# Altium PCB PCB1.PcbDoc (continued)
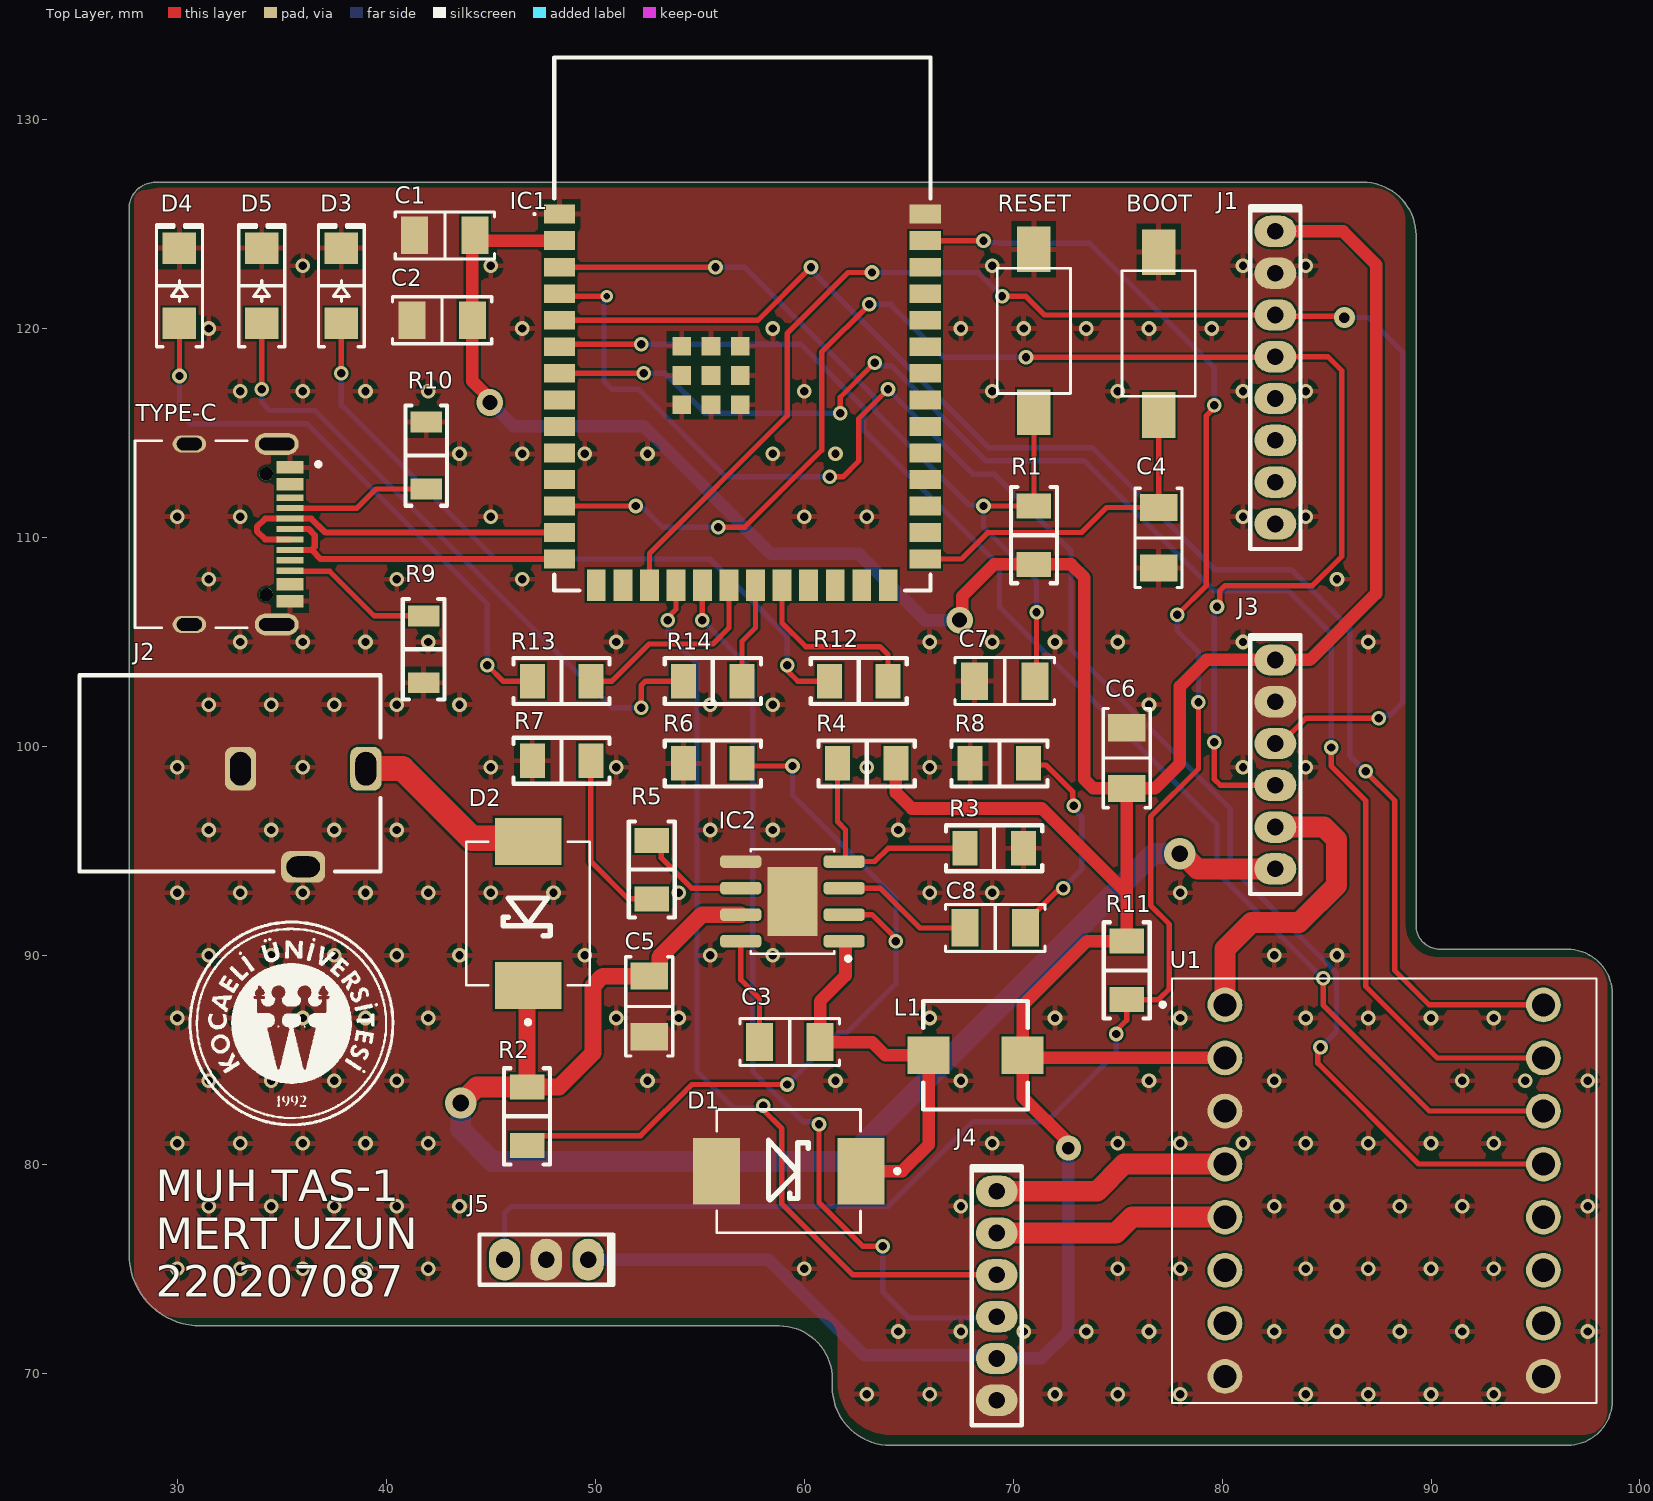
[diagram p0: Top Layer view]
## Part data (continued)
D5: library part 25-21UYC/S530-A2/TR8, "LED YELLOW CLEAR 2SMD", Current - Test=20mA, Device Package="1206 (3216 Metric)", Lens Color=Colorless, manufacturer="Everlight Electronics Co Ltd", Millicandela Rating=45mcd, Supplier Device Package=2-SMD, Supplier Part Number 1=1080-1595-1-ND, Voltage - Forward (Vf) (Typ)=2V, Color=Yellow, componentlink1description=Datasheet, componentlink1url=//media.digikey.com/pdf/Data%20Sheets/Everlight%20PDFs/25-21UYC-S530-A2-TR8_V6_11-12-18.pdf, componentlink2description="DigiKey Link", componentlink2url=https://www.digikey.com/en/products/detail/everlight-electronics-co-ltd/25-21UYC-S530-A2-TR8/8535289, Configuration=Standard, Height (Max)=1.20mm, lastupdated="3.06.2024 20:01:38", Lens Size="1.10mm Dia", Lens Style="Round with Domed Top", Lens Transparency=Clear, Lifecycle Status=Active, Minimum Order=1, Mounting Type="Surface Mount", Package / Case="1206 (3216 Metric)", packaging=TapeAndReel, Part Number=25-21UYC/S530-A2/TR8, Part Status=Active, partid=2, price=0.08, series=-, Size / Dimension="3.20mm L x 1.60mm W", Supplier 1=DigiKey, Viewing Angle=60°, Wavelength - Dominant=589nm, Wavelength - Peak=591nm
IC1: "Integrated Circuit", Manufacturer_Name="Espressif Systems", Mouser Part Number=356-ESP32S3WROOM1N16, Datasheet Link=https://www.espressif.com/sites/default/files/documentation/esp32-s3-wroom-1_wroom-1u_datasheet_en.pdf, Height=3.25mm, Manufacturer_Part_Number=ESP32-S3-WROOM-1-N16, Mouser Price/Stock=https://www.mouser.co.uk/ProductDetail/Espressif-Systems/ESP32-S3-WROOM-1-N16?qs=Li%252BoUPsLEntjPrtJwwS5Pw%3D%3D
J1: library part NPPN081BFCN-RC, "CONN HDR 8POS 0.079 GOLD PCB", Current Rating (Amps)=2A, manufacturer="Sullins Connector Solutions", Material Flammability Rating="UL94 V-0", Operating Temperature="-40°C ~ 105°C", Supplier Part Number 1=S5751-08-ND, Insulation Color=Black, componentlink1description=Datasheet, componentlink1url=https://drawings-pdf.s3.amazonaws.com/10483.pdf, componentlink2description="DigiKey Link", componentlink2url=https://www.digikey.com/en/products/detail/sullins-connector-solutions/NPPN081BFCN-RC/804810, Connector Type=Header, Contact Finish - Mating=Gold, Contact Finish - Post=Gold, Contact Finish Thickness - Mating=Flash, Contact Length - Post="0.094\" (2.40mm)", Contact Type="Female Socket", Fastening Type=Push-Pull, lastupdated="21.06.2022 14:43:53", Lifecycle Status=Active, Minimum Order=1, Mounting Type="Through Hole", Number of Positions=8, Number of Positions Loaded=All, Number of Rows=1, packaging=Tube, Part Number=NPPN081BFCN-RC, Part Status=Active, Pitch - Mating="0.079\" (2.00mm)", price=0.44, series=-, Style="Board to Board", Supplier 1=DigiKey, Termination=Solder, Insulation Height="0.173\" (4.40mm)"
J2: "CONN PWR JACK 2X5.5MM SOLDER", Current Rating (Amps)=5A, manufacturer="CUI Devices", Material Flammability Rating="UL94 V-0", Supplier Part Number 1=CP-102AH-ND, Voltage - Rated=24VDC, Actual Diameter="0.079\" (2.00mm ID), 0.256\" (6.50mm OD)", componentlink1description=Datasheet, componentlink1url=https://www.cuidevices.com/product/resource/digikeypdf/pj-102ah.pdf, componentlink2description="DigiKey Link", componentlink2url=//digikey.com/product-detail/en/cui-devices/PJ-102AH/CP-102AH-ND/408448, Connector Type=Jack, Gender=Male, lastupdated="16.12.2019 19:01:27", Lifecycle Status=0, Mating Length/Depth="0.354\" (9.00mm)", Minimum Order=1, Mounting Type="Through Hole, Right Angle", Number of Positions/Contacts="2 Conductors, 3 Contacts", packaging=Tray, Part Number=PJ-102AH, Part Status=Active, price=0.76, series=-, Shielding=Unshielded, Supplier 1=DigiKey, Termination=Solder, Industry Recognized Mating Diameter="2.00mm ID (0.079\"), 5.50mm OD (0.217\")", Internal Switch(s)="Single Switch, Normally Closed"
J3 J4: library part NPPN061BFCN-RC, "CONN HDR 6POS 0.079 GOLD PCB", Current Rating (Amps)=2A, manufacturer="Sullins Connector Solutions", Material Flammability Rating="UL94 V-0", Operating Temperature="-40°C ~ 105°C", Supplier Part Number 1=S5751-06-ND, Insulation Color=Black, componentlink1description=Datasheet, componentlink1url=https://drawings-pdf.s3.amazonaws.com/10483.pdf, componentlink2description="DigiKey Link", componentlink2url=https://www.digikey.com/en/products/detail/sullins-connector-solutions/NPPN061BFCN-RC/804808, Connector Type=Header, Contact Finish - Mating=Gold, Contact Finish - Post=Gold, Contact Finish Thickness - Mating=Flash, Contact Length - Post="0.094\" (2.40mm)", Contact Type="Female Socket", Fastening Type=Push-Pull, lastupdated="21.06.2022 14:43:22", Lifecycle Status=Active, Minimum Order=1, Mounting Type="Through Hole", Number of Positions=6, Number of Positions Loaded=All, Number of Rows=1, packaging=Tube, Part Number=NPPN061BFCN-RC, Part Status=Active, Pitch - Mating="0.079\" (2.00mm)", price=0.40, series=-, Style="Board to Board", Supplier 1=DigiKey, Termination=Solder, Insulation Height="0.173\" (4.40mm)"
J5: library part NPPN031BFCN-RC, "CONN HDR 3POS 0.079 GOLD PCB", Current Rating (Amps)=2A, manufacturer="Sullins Connector Solutions", Material Flammability Rating="UL94 V-0", Operating Temperature="-40°C ~ 105°C", Supplier Part Number 1=S5751-03-ND, Insulation Color=Black, componentlink1description=Datasheet, componentlink1url=https://drawings-pdf.s3.amazonaws.com/10483.pdf, componentlink2description="DigiKey Link", componentlink2url=https://www.digikey.com/en/products/detail/sullins-connector-solutions/NPPN031BFCN-RC/804805, Connector Type=Header, Contact Finish - Mating=Gold, Contact Finish - Post=Gold, Contact Finish Thickness - Mating=Flash, Contact Length - Post="0.094\" (2.40mm)", Contact Type="Female Socket", Fastening Type=Push-Pull, lastupdated="21.06.2022 14:42:20", Lifecycle Status=Active, Minimum Order=1, Mounting Type="Through Hole", Number of Positions=3, Number of Positions Loaded=All, Number of Rows=1, packaging=Tube, Part Number=NPPN031BFCN-RC, Part Status=Active, Pitch - Mating="0.079\" (2.00mm)", price=0.25, series=-, Style="Board to Board", Supplier 1=DigiKey, Termination=Solder, Insulation Height="0.173\" (4.40mm)"
L1: library part SRP5030T-100M, "FIXED IND 10UH 2.75A 128MOHM SMD", Current - Saturation=3.5A, Current Rating (Amps)="2.75 A", DC Resistance (DCR)="128mOhm Max", Device Package=Nonstandard, manufacturer="Bourns Inc.", Operating Temperature="-40°C ~ 125°C", Supplier Part Number 1=SRP5030T-100MCT-ND, Tolerance=±20%, Inductance Frequency - Test="100 kHz", componentlink1description=Datasheet, componentlink1url=https://www.bourns.com/docs/Product-Datasheets/SRP5030T.pdf, componentlink2description="DigiKey Link", componentlink2url=https://www.digikey.com/en/products/detail/bourns-inc/SRP5030T-100M/3986087, Height - Seated (Max)="0.118\" (3.00mm)", lastupdated="3.06.2024 20:02:35", Lifecycle Status=Active, Material - Core="Iron Powder", Minimum Order=1, Mounting Type="Surface Mount", Package / Case=Nonstandard, packaging=TapeAndReel, Part Number=SRP5030T-100M, Part Status=Active, partid=9, price=0.59, series=SRP5030T, Shielding=Shielded, Size / Dimension="0.224\" L x 0.205\" W (5.70mm x 5.20mm)", Supplier 1=DigiKey, Type="Drum Core, Wirewound", Inductance="10 µH"
R1: library part CRG1206F10K, "RES SMD 10K OHM 1% 1/4W 1206", Device Package="1206 (3216 Metric)", manufacturer="TE Connectivity Passive Product", Operating Temperature="-55°C ~ 155°C", Power (Watts)="0.25W, 1/4W", Supplier Device Package=1206, Supplier Part Number 1=A106069CT-ND, Temperature Coefficient=±100ppm/°C, Tolerance=±1%, componentlink1description=Datasheet, componentlink1url=https://www.te.com/commerce/DocumentDelivery/DDEController?Action=srchrtrv&DocNm=1773204&DocType=DS&DocLang=English, componentlink2description="DigiKey Link", componentlink2url=https://www.digikey.com/en/products/detail/te-connectivity-passive-product/CRG1206F10K/2389909, Composition="Thick Film", Height - Seated (Max)="0.026\" (0.65mm)", lastupdated="9.02.2024 20:54:44", Lifecycle Status=Active, Minimum Order=1, Number of Terminations=2, Package / Case="1206 (3216 Metric)", packaging=TapeAndReel, Part Number=CRG1206F10K, Part Status=Active, partid=26989, price=0.01, Resistance="10 kOhms", series="CRG, Neohm", Size / Dimension="0.122\" L x 0.061\" W (3.10mm x 1.55mm)", Supplier 1=DigiKey
R2 R5 R7: library part RNCS1206BKE100K, "RES 100K OHM 0.1% 1/8W 1206", Device Package="1206 (3216 Metric)", manufacturer="Stackpole Electronics Inc", Operating Temperature="-55°C ~ 155°C", Power (Watts)="0.125W, 1/8W", Ratings=AEC-Q200, Supplier Device Package=1206, Supplier Part Number 1=RNCS1206BKE100KCT-ND, Temperature Coefficient=±25ppm/°C, Tolerance=±0.1%, componentlink1description=Datasheet, componentlink1url=https://www.seielect.com/catalog/sei-rncs_rnch.pdf, componentlink2description="DigiKey Link", componentlink2url=https://www.digikey.com/en/products/detail/stackpole-electronics-inc/RNCS1206BKE100K/1800321, Composition="Thin Film", Features="Anti-Corrosive, Automotive AEC-Q200, Moisture Resistant", Height - Seated (Max)="0.026\" (0.65mm)", lastupdated="9.02.2024 20:54:46", Lifecycle Status=Active, Minimum Order=1, Number of Terminations=2, Package / Case="1206 (3216 Metric)", packaging=TapeAndReel, Part Number=RNCS1206BKE100K, Part Status=Active, partid=26854, price=0.08, Resistance="100 kOhms", series=RNCS, Size / Dimension="0.120\" L x 0.061\" W (3.05mm x 1.55mm)", Supplier 1=DigiKey
R3: library part RCS120640K2FKEA, "RCS1206 100 40K2 1% ET1 E3", Device Package="1206 (3216 Metric)", manufacturer="Vishay Dale", Operating Temperature="-55°C ~ 155°C", Power (Watts)="0.5W, 1/2W", Ratings=AEC-Q200, Supplier Device Package=1206, Supplier Part Number 1=541-RCS120640K2FKEACT-ND, Temperature Coefficient=±100ppm/°C, Tolerance=±1%, componentlink1description=Datasheet, componentlink1url=https://www.vishay.com/docs/20065/rcse3.pdf, componentlink2description="DigiKey Link", componentlink2url=https://www.digikey.com/en/products/detail/vishay-dale/RCS120640K2FKEA/12446290, Composition="Thick Film", Features="Automotive AEC-Q200, Pulse Withstanding", Height - Seated (Max)="0.026\" (0.65mm)", lastupdated="9.02.2024 20:53:22", Lifecycle Status=Active, Minimum Order=1, Number of Terminations=2, Package / Case="1206 (3216 Metric)", packaging=TapeAndReel, Part Number=RCS120640K2FKEA, Part Status=Active, partid=58515, price=0.03, Resistance="40.2 kOhms", series="RCS e3", Size / Dimension="0.126\" L x 0.063\" W (3.20mm x 1.60mm)", Supplier 1=DigiKey
R4: library part CRCW1206124KFKEA, "RES SMD 124K OHM 1% 1/4W 1206", Device Package="1206 (3216 Metric)", manufacturer="Vishay Dale", Operating Temperature="-55°C ~ 155°C", Power (Watts)="0.25W, 1/4W", Ratings=AEC-Q200, Supplier Device Package=1206, Supplier Part Number 1=541-124KFCT-ND, Temperature Coefficient=±100ppm/°C, Tolerance=±1%, componentlink1description=Datasheet, componentlink1url=http://www.vishay.com/docs/20035/dcrcwe3.pdf, componentlink2description="DigiKey Link", componentlink2url=https://www.digikey.com/en/products/detail/vishay-dale/CRCW1206124KFKEA/1176882, Composition="Thick Film", Features="Automotive AEC-Q200", Height - Seated (Max)="0.024\" (0.60mm)", lastupdated="9.02.2024 20:54:38", Lifecycle Status=Active, Minimum Order=1, Number of Terminations=2, Package / Case="1206 (3216 Metric)", packaging=TapeAndReel, Part Number=CRCW1206124KFKEA, Part Status=Active, partid=28030, price=0.01, Resistance="124 kOhms", series=CRCW, Size / Dimension="0.126\" L x 0.063\" W (3.20mm x 1.60mm)", Supplier 1=DigiKey
R6: library part RCS120624K9FKEA, "RCS1206 100 24K9 1% ET1 E3", Device Package="1206 (3216 Metric)", manufacturer="Vishay Dale", Operating Temperature="-55°C ~ 155°C", Power (Watts)="0.5W, 1/2W", Ratings=AEC-Q200, Supplier Device Package=1206, Supplier Part Number 1=541-RCS120624K9FKEACT-ND, Temperature Coefficient=±100ppm/°C, Tolerance=±1%, componentlink1description=Datasheet, componentlink1url=https://www.vishay.com/docs/20065/rcse3.pdf, componentlink2description="DigiKey Link", componentlink2url=https://www.digikey.com/en/products/detail/vishay-dale/RCS120624K9FKEA/12446268, Composition="Thick Film", Features="Automotive AEC-Q200, Pulse Withstanding", Height - Seated (Max)="0.026\" (0.65mm)", lastupdated="9.02.2024 20:53:22", Lifecycle Status=Active, Minimum Order=1, Number of Terminations=2, Package / Case="1206 (3216 Metric)", packaging=TapeAndReel, Part Number=RCS120624K9FKEA, Part Status=Active, partid=58450, price=0.03, Resistance="24.9 kOhms", series="RCS e3", Size / Dimension="0.126\" L x 0.063\" W (3.20mm x 1.60mm)", Supplier 1=DigiKey
R8: library part RN73H2BTTD6812B25, "RES 68.1K OHM 0.1% 1/4W 1206", Device Package="1206 (3216 Metric)", manufacturer="KOA Speer Electronics, Inc.", Operating Temperature="-55°C ~ 155°C", Power (Watts)="0.25W, 1/4W", Ratings=AEC-Q200, Supplier Device Package=1206, Supplier Part Number 1=2019-RN73H2BTTD6812B25CT-ND, Temperature Coefficient=±25ppm/°C, Tolerance=±0.1%, componentlink1description=Datasheet, componentlink1url=http://www.koaspeer.com/catimages/Products/RN73H/RN73H.pdf, componentlink2description="DigiKey Link", componentlink2url=https://www.digikey.com/en/products/detail/koa-speer-electronics-inc/RN73H2BTTD6812B25/10064241, Composition="Metal Film", Features="Automotive AEC-Q200, Moisture Resistant", Height - Seated (Max)="0.028\" (0.70mm)", lastupdated="9.02.2024 20:54:41", Lifecycle Status=Active, Minimum Order=1, Number of Terminations=2, Package / Case="1206 (3216 Metric)", packaging=TapeAndReel, Part Number=RN73H2BTTD6812B25, Part Status=Active, partid=27435, price=0.15, Resistance="68.1 kOhms", series=RN73H, Size / Dimension="0.126\" L x 0.063\" W (3.20mm x 1.60mm)", Supplier 1=DigiKey
R9 R10: library part SR1206JR-7W5K1L, "RES 5.1K OHM 5% 1/2W 1206", Device Package="1206 (3216 Metric)", manufacturer=Yageo, Operating Temperature="-55°C ~ 155°C", Power (Watts)="0.5W, 1/2W", Ratings=AEC-Q200, Supplier Device Package=1206, Supplier Part Number 1=YAG6077CT-ND, Temperature Coefficient=±100ppm/°C, Tolerance=±5%, componentlink1description=Datasheet, componentlink1url=http://www.yageo.com/documents/recent/PYu-SR_20105_RoHS_L_8.pdf, componentlink2description="DigiKey Link", componentlink2url=https://www.digikey.com/en/products/detail/yageo/SR1206JR-7W5K1L/5949366, Composition="Thick Film", Features="Automotive AEC-Q200, Pulse Withstanding", Height - Seated (Max)="0.026\" (0.65mm)", lastupdated="25.07.2024 09:21:37", Lifecycle Status=Active, Minimum Order=1, Number of Terminations=2, Package / Case="1206 (3216 Metric)", packaging=TapeAndReel, Part Number=SR1206JR-7W5K1L, Part Status=Active, partid=27299, price=0.07, Resistance="5.1 kOhms", series=SR, Size / Dimension="0.122\" L x 0.063\" W (3.10mm x 1.60mm)", Supplier 1=DigiKey
R11: library part CRG1206F4K7, "RES SMD 4.7K OHM 1% 1/4W 1206", Device Package="1206 (3216 Metric)", manufacturer="TE Connectivity Passive Product", Operating Temperature="-55°C ~ 155°C", Power (Watts)="0.25W, 1/4W", Supplier Device Package=1206, Supplier Part Number 1=A106078CT-ND, Temperature Coefficient=±100ppm/°C, Tolerance=±1%, componentlink1description=Datasheet, componentlink1url=https://www.te.com/commerce/DocumentDelivery/DDEController?Action=srchrtrv&DocNm=1773204&DocType=DS&DocLang=English, componentlink2description="DigiKey Link", componentlink2url=https://www.digikey.com/en/products/detail/te-connectivity-passive-product/CRG1206F4K7/2381014, Composition="Thick Film", Height - Seated (Max)="0.026\" (0.65mm)", lastupdated="9.02.2024 20:54:45", Lifecycle Status=Active, Minimum Order=1, Number of Terminations=2, Package / Case="1206 (3216 Metric)", packaging=TapeAndReel, Part Number=CRG1206F4K7, Part Status=Active, partid=26987, price=0.01, Resistance="4.7 kOhms", series="CRG, Neohm", Size / Dimension="0.122\" L x 0.061\" W (3.10mm x 1.55mm)", Supplier 1=DigiKey
R12 R13 R14: library part RNCS1206BKE1K00, "RES 1K OHM 0.1% 1/8W 1206", Device Package="1206 (3216 Metric)", manufacturer="Stackpole Electronics Inc", Operating Temperature="-55°C ~ 155°C", Power (Watts)="0.125W, 1/8W", Ratings=AEC-Q200, Supplier Device Package=1206, Supplier Part Number 1=RNCS1206BKE1K00CT-ND, Temperature Coefficient=±25ppm/°C, Tolerance=±0.1%, componentlink1description=Datasheet, componentlink1url=https://www.seielect.com/catalog/sei-rncs_rnch.pdf, componentlink2description="DigiKey Link", componentlink2url=https://www.digikey.com/en/products/detail/stackpole-electronics-inc/RNCS1206BKE1K00/1800333, Composition="Thin Film", Features="Anti-Corrosive, Automotive AEC-Q200, Moisture Resistant", Height - Seated (Max)="0.026\" (0.65mm)", lastupdated="9.02.2024 20:54:46", Lifecycle Status=Active, Minimum Order=1, Number of Terminations=2, Package / Case="1206 (3216 Metric)", packaging=TapeAndReel, Part Number=RNCS1206BKE1K00, Part Status=Active, partid=26856, price=0.08, Resistance="1 kOhms", series=RNCS, Size / Dimension="0.120\" L x 0.061\" W (3.05mm x 1.55mm)", Supplier 1=DigiKey
U1: library part ROB-14450, "Undefined or Miscellaneous", Manufacturer_Name=SparkFun, Mouser Part Number=474-ROB-14450, Arrow Part Number=ROB-14450, Arrow Price/Stock=https://www.arrow.com/en/products/rob-14450/sparkfun-electronics?region=nac, Datasheet Link=https://www.sparkfun.com/products/14450, Height=5mm, Manufacturer_Part_Number=ROB-14450, Mouser Price/Stock=https://www.mouser.co.uk/ProductDetail/SparkFun/ROB-14450?qs=wd5RIQLrsJhQdlH%2FW5H2aQ%3D%3D

## Via types
v1: diameter 0.7, hole 0.4, Top Layer to Bottom Layer, tented both sides, 219 vias
v2: diameter 1.27, hole 0.711, Top Layer to Bottom Layer, tented both sides, 2 vias
v3: diameter 1.5, hole 0.8, Top Layer to Bottom Layer, tented both sides, 2 vias
v4: diameter 0.6, hole 0.3, Top Layer to Bottom Layer, tented both sides, 1 vias
v5: diameter 1.2, hole 0.6, Top Layer to Bottom Layer, tented both sides, 1 vias
v6: diameter 1, hole 0.5, Top Layer to Bottom Layer, tented both sides, 1 vias

## Nets (pads, with @x,y where several pads share a name; then routed paths per layer and width w, separated by ;. In a path a pad name is that pad's centre, name@x,y a point inside that pad or via, vN(x,y) a via of type N, cw(c..) or ccw(c..) an arc to the next point about the centre after c; other vN are vias at no path point)
3.3V: C1.2 C2.2 C6.2 IC1.2 J1.1 J3.1 J4.5 J5.1 L1.2 R1.2 R4.2 R11.2 U1.2 | length 178
  Top Layer w0.254: v5@72.517,81.153 72.517,80.899 v5(72.644,80.772)
  Top Layer w0.6: v2(44.958,116.459) 44.958,116.64 44.122,117.476 C2.2 44.122,124.333 C1.2 44.503,124.206 IC1.2 ; R4.2 64.389,97.79 65.151,97.028 71.374,97.028 75.438,92.964 ; v2(67.437,106.045) 67.565,106.173 67.565,107.189 69.085,108.709 R1.2 72.774,108.709 73.406,108.077 73.406,98.425 73.84,97.991 C6.2 ; L1.2@70.576,85.09 U1.2 ; v5@72.517,81.153 70.449,83.221 L1.2 70.449,87.594 73.536,90.681 R11.2 ; R11.2@75.438,90.523 R11.2 ; J3.1 79.247,104.139 77.978,102.87 77.978,99.187 76.782,97.991 C6.2 ; J3.1 84.201,104.14 87.376,107.315 87.376,123.063 85.79,124.649 J1.1 ; R11.2 75.438,92.964 ; 75.438,92.964 C6.2
  Bottom Layer w0.6: v2(44.958,116.459) 46.101,115.316 52.324,115.316 58.42,109.22 62.611,109.22 65.786,106.045 v2(67.437,106.045) ; J5.1 58.293,75.438 62.865,70.866 69.057,70.866 J4.5 71.343,70.708 72.644,72.009 v5(72.644,80.772)
12V: C5.2 D2.C IC2.7 J3.6 R2.2 | length 71.4
  Top Layer w0.8: D2.C 46.736,88.501 R2.2 48.263,83.696 49.888,85.321 49.888,88.537 50.356,89.006 C5.2 ; C5.2@52.832,89.006 53.082,89.256 53.082,89.912 55.118,91.948 IC2.7
  Top Layer w1: v3(43.561,82.931) 44.326,83.696 R2.2 ; v3(77.978,94.869) 78.084,94.869 78.814,94.139 J3.6@82.639,94.139
  Bottom Layer w1: v3(43.561,82.931) 43.561,81.661 45.085,80.137 61.976,80.137 76.708,94.869 v3(77.978,94.869)
A-out1: J4.1 U1.4 | length 11.5
  Top Layer w1: J4.1 74.009,78.708 75.311,80.01 U1.4
A-out2: J4.2 U1.5 | length 11.2
  Top Layer w1: J4.2 74.93,76.708 75.692,77.47 U1.5
ADO: J1.7
DATA: IC1.39 J5.3 R11.1 | length 88.2
  Top Layer w0.254: IC1.39 v1(68.58,124.206) ; v1(74.93,86.233) 74.93,86.392 75.438,86.9 R11.1 76.959,87.881 77.47,88.392 77.47,91.504 76.581,92.392 76.581,96.647 78.867,98.933 v1(78.867,102.108) ; v1(77.851,106.299) 79.248,107.696 79.248,115.83 79.629,116.211 v1(79.629,116.332)
  Bottom Layer w0.254: J5.3 45.657,77.661 45.974,77.978 64.008,77.978 68.072,82.042 71.628,82.042 74.93,85.344 v1(74.93,86.233) ; v1(68.58,124.206) 68.665,124.121 69.3,124.121 69.342,124.079 73.66,124.079 79.629,118.11 v1(79.629,116.332) ; v1(77.851,106.299) 77.851,105.537 78.867,104.521 v1(78.867,102.108)
Encoder-A: IC1.18 J4.3 | length 44.7
  Top Layer w0.254: v1(53.467,106.045) 53.467,106.173 53.861,106.567 IC1.18 ; v1(58.039,82.804) 58.039,82.602 58.928,81.713 58.928,78.105 62.325,74.708 J4.3
  Bottom Layer w0.254: v1(53.467,106.045) 53.481,106.031 53.481,105.321 54.864,103.938 54.864,84.455 56.642,82.677 57.912,82.677 v1(58.039,82.804)
Encoder-B: IC1.19 J4.4 | length 44.3
  Top Layer w0.254: v1(55.118,106.045) 55.118,107.703 IC1.19 ; v1(60.706,81.915) 60.706,78.175 62.808,76.073 v1(63.754,76.073)
  Bottom Layer w0.254: v1(55.118,106.045) 57.531,103.632 57.531,84.455 59.944,82.042 60.579,82.042 v1(60.706,81.915) ; v1(63.754,76.073) 63.754,73.914 65.024,72.644 69.151,72.644 J4.4
GND: BOOT.2 C1.1 C2.1 C4.2 C5.1 C6.1 C7.2 D1.A D3.2 D4.2 D5.2 IC1.1 IC1.40 IC1.41 IC1.42 IC1.43 IC1.44 IC1.45 IC1.46 IC1.47 IC1.48 IC1.49 IC2.5 IC2.9 J1.2 J2.2 J2.3 J3.2 J4.6 J5.2 R3.2 R6.1 R7.1 R8.1 R9.1 R10.1 RESET.1 TYPE-C.A1_B12 TYPE-C.B1_A12 TYPE-C.S1 TYPE-C.S2 TYPE-C.S3 TYPE-C.S4 U1.3 U1.8 U1.16
  other v1: 63,69 66,69 72,69 75,69 78,69 84,69 87,69 90,69 93,69 64.5,72 67.5,72 70.5,72 73.5,72 76.5,72 82.5,72 85.5,72 88.5,72 91.5,72 97.5,72 30,75 33,75 36,75 39,75 42,75 60,75 75,75 78,75 84,75 87,75 90,75 93,75 31.5,78 34.5,78 37.5,78 40.5,78 43.5,78 67.5,78 82.5,78 85.5,78 88.5,78 91.5,78 97.5,78 30,81 33,81 36,81 39,81 42,81 69,81 75,81 78,81 81,81 84,81 87,81 90,81 93,81 31.5,84 34.5,84 37.5,84 40.5,84 52.5,84 61.5,84 67.5,84 76.5,84 82.5,84 91.5,84 94.5,84 97.5,84 30,87 33,87 36,87 39,87 42,87 51,87 54,87 66,87 72,87 78,87 84,87 87,87 90,87 93,87 31.5,90 34.5,90 37.5,90 40.5,90 43.5,90 49.5,90 55.5,90 58.5,90 82.5,90 85.5,90 30,93 33,93 36,93 39,93 42,93 45,93 48,93 54,93 66,93 69,93 78,93 31.5,96 34.5,96 37.5,96 40.5,96 55.5,96 58.5,96 64.5,96 30,99 36,99 45,99 51,99 63,99 66,99 81,99 84,99 31.5,102 34.5,102 37.5,102 40.5,102 43.5,102 55.5,102 58.5,102 76.5,102 33,105 36,105 39,105 42,105 51,105 66,105 69,105 72,105 75,105 81,105 87,105 31.5,108 40.5,108 46.5,108 85.5,108 30,111 33,111 45,111 60,111 63,111 81,111 84,111 43.5,114 46.5,114 49.5,114 52.5,114 58.5,114 61.5,114 33,117 36,117 39,117 42,117 60,117 69,117 75,117 81,117 84,117 31.5,120 46.5,120 58.5,120 67.5,120 70.5,120 73.5,120 76.5,120 79.5,120 36,123 45,123 69,123 81,123 84,123
INA1: IC1.6 U1.11 | length 66.2
  Top Layer w0.254: IC1.6 48.413,119.253 v1(52.197,119.253) ; v1(84.836,88.9) 84.836,87.63 89.916,82.55 U1.11
  Bottom Layer w0.254: v1(52.197,119.253) 59.817,119.253 62.865,116.205 62.865,115.126 69.342,108.648 69.342,106.68 79.756,96.266 79.756,93.98 v1(84.836,88.9)
INA2: IC1.7 U1.10 | length 72
  Top Layer w0.254: IC1.7 v1(52.324,117.856) ; v1(61.722,115.951) 61.722,116.713 v1(63.373,118.364) ; v1(85.217,99.949) 85.217,99.06 86.868,97.409 86.868,88.519 90.297,85.09 U1.10
  Bottom Layer w0.254: v1(52.324,117.856) 53.34,117.856 55.245,115.951 v1(61.722,115.951) ; v1(63.373,118.364) 63.516,118.221 64.151,118.221 68.707,113.665 73.406,113.665 79.629,107.442 83.185,107.442 85.217,105.41 v1(85.217,99.949)
INT: J1.8
LED-GREEN: IC1.20 R13.1 | length 9.7
  Top Layer w0.254: R13.1 50.8,103.124 52.578,104.902 55.626,104.902 56.401,105.677 IC1.20
LED-RED: IC1.22 R12.1 | length 8.8
  Top Layer w0.254: IC1.22 58.941,105.905 60.071,104.775 63.627,104.775 64.011,104.391 R12.1
LED-YELLOW: IC1.21 R14.1 | length 4.9
  Top Layer w0.254: R14.1 57.026,105.032 57.671,105.677 IC1.21
NetC3_1: C3.1 IC2.8 | length 5.2
  Top Layer w0.254: IC2.8 56.961,88.835 57.859,87.937 C3.1
NetC3_2: C3.2 D1.C IC2.1 L1.1 | length 18.9
  Top Layer w0.6: IC2.1 61.976,90.613 61.976,89.027 60.759,87.81 C3.2 63.246,85.852 63.881,85.217 L1.1 65.949,80.935 64.689,79.675 D1.C
NetC4_1: BOOT.1 C4.1 IC1.27 | length 16.6
  Top Layer w0.254: IC1.27 67.52,108.966 68.79,110.236 73.279,110.236 74.475,111.432 C4.1 BOOT.1
NetC7_1: C7.1 IC1.3 R1.1 RESET.2 | length 41.9
  Top Layer w0.254: IC1.3 v1(55.753,122.936) ; v1(68.58,111.506) 70.99,111.506 R1.1 RESET.2 ; C7.1 71.12,103.198 v1(71.12,106.426)
  Bottom Layer w0.254: v1(55.753,122.936) 57.15,122.936 63.371,116.715 63.371,116.067 67.887,111.551 68.535,111.551 v1(68.58,111.506) ; v1@68.58,111.621 68.58,110.49 71.12,107.95 v1(71.12,106.426)
NetC8_1: C8.1 R8.2 | length 10.6
  Top Layer w0.254: C8.1 70.591,91.563 72.246,93.218 v1(72.39,93.218) ; R8.2 70.815,99.114 71.574,99.114 72.847,97.841 72.847,97.206 v1(72.898,97.155)
  Bottom Layer w0.254: v1(72.39,93.218) 73.279,94.107 73.279,96.647 72.898,97.028 v1(72.898,97.155)
NetC8_2: C8.2 IC2.3 | length 6.6
  Top Layer w0.254: IC2.3 63.627,93.218 65.532,91.313 C8.2
NetD2_A: D2.A J2.1 | length 9.2
  Top Layer w1.2: J2.1 40.767,98.933 44.095,95.605 46.634,95.605 D2.A
NetD3_1: D3.1 R12.2 | length 33.7
  Top Layer w0.254: v1(37.846,117.856) D3.1 ; v1(59.182,103.886) 59.182,103.632 59.69,103.124 R12.2
  Bottom Layer w0.254: v1(37.846,117.856) 37.846,116.332 45.212,108.966 55.499,108.966 59.182,105.283 v1(59.182,103.886)
NetD4_1: D4.1 R13.2 | length 28.2
  Top Layer w0.254: v1(30.099,117.729) D4.1 ; v1(44.831,103.886) 45.593,103.124 R13.2
  Bottom Layer w0.254: v1(30.099,117.729) 30.099,115.951 30.607,115.443 36.195,115.443 44.831,106.807 v1(44.831,103.886)
NetD5_1: D5.1 R14.2 | length 31.2
  Top Layer w0.254: v1(34.036,117.094) D5.1 ; v1(52.197,101.854) 52.197,102.917 52.404,103.124 R14.2
  Bottom Layer w0.254: v1(34.036,117.094) 34.036,116.459 34.417,116.078 36.576,116.078 50.8,101.854 v1(52.197,101.854)
NetR2_1: IC2.2 R2.1 R6.2 | length 38.9
  Top Layer w0.254: R2.1 47.209,81.369 52.172,81.369 54.623,83.82 v1(59.182,83.82) ; R6.2 57.153,99.06 v1(59.436,99.06) ; IC2.2 63.246,91.948 64.389,90.805 v1(64.389,90.678)
  Bottom Layer w0.254: v1(59.182,83.82) 61.666,86.304 62.047,86.304 64.389,88.646 v1(64.389,90.678) 64.389,92.71 59.436,97.663 v1(59.436,99.06)
NetR3_1: IC2.4 R3.1 R4.1 | length 11.2
  Top Layer w0.254: R4.1 61.589,96.399 61.976,96.012 61.976,94.553 IC2.4 63.373,94.488 64.008,95.123 R3.1@67.997,95.123
NetR5_1: R5.1 R7.2 | length 8.5
  Top Layer w0.254: R7.2 49.787,94.485 51.565,92.707 R5.1
NetR5_2: IC2.6 R5.2 | length 5.4
  Top Layer w0.254: R5.2 53.153,95.059 53.153,94.675 54.61,93.218 IC2.6
NetR9_2: R9.2 TYPE-C.B5 | length 7.3
  Top Layer w0.254: TYPE-C.B5 35.417,108.382 37.287,108.382 39.421,106.248 R9.2
NetR10_2: R10.2 TYPE-C.A5 | length 7
  Top Layer w0.254: TYPE-C.A5 38.587,111.405 39.501,112.319 R10.2@41.979,112.319
PWM-A: IC1.5 U1.9 | length 71.2
  Top Layer w0.254: IC1.5 57.785,120.396 v1(60.325,122.936) ; v1(86.868,98.806) 88.265,97.409 88.265,89.281 89.916,87.63 U1.9
  Bottom Layer w0.254: v1(60.325,122.936) 60.325,122.795 68.82,114.3 73.787,114.3 79.629,108.458 83.312,108.458 86.106,105.664 86.106,99.568 v1(86.868,98.806)
SCL: IC1.17 J1.3 J3.3 | length 70.7
  Top Layer w0.254: IC1.17 52.591,109.233 59.182,115.824 59.182,119.761 62.103,122.682 v1(63.246,122.682) ; v1(69.469,121.539) 70.612,121.539 71.502,120.649 J1.3 82.613,120.586 85.789,120.586 v6(85.852,120.523) ; J3.3 82.8,100.139 84.007,101.346 v1(87.503,101.346)
  Bottom Layer w0.254: v1(63.246,122.682) 68.326,122.682 v1(69.469,121.539) ; v6(85.852,120.523) 86.995,120.523 88.646,118.872 88.646,102.108 88.027,101.489 87.646,101.489 v1(87.503,101.346)
SDA: IC1.12 J1.4 J3.4 | length 73.9
  Top Layer w0.254: IC1.12 v1(51.943,111.506) ; v1(55.88,110.49) 57.15,110.49 60.833,114.173 60.833,118.872 v1(63.119,121.158) ; v1(70.612,118.618) 82.519,118.618 J1.4 85.059,118.649 85.725,117.983 85.725,109.093 84.328,107.696 80.137,107.696 79.883,107.442 79.883,106.807 v1(79.756,106.68) ; v1(79.629,100.203) 79.629,98.425 79.915,98.139 J3.4
  Bottom Layer w0.254: v1(51.943,111.506) 52.07,111.379 52.324,111.379 53.213,110.49 v1(55.88,110.49) ; v1(63.119,121.158) 64.135,121.158 66.675,118.618 v1(70.612,118.618) ; v1(79.629,100.203) 79.629,106.553 v1(79.756,106.68)
STNDBY: IC1.4 U1.12 | length 79.8
  Top Layer w0.254: IC1.4 48.413,121.539 v4(50.546,121.539) ; v1(61.214,112.903) 61.849,112.903 62.611,113.665 62.611,115.697 v1(64.008,117.094) ; v1(84.709,85.598) 84.582,85.471 84.582,84.836 89.408,80.01 U1.12
  Bottom Layer w0.254: v4(50.546,121.539) 50.419,121.412 50.419,117.475 50.8,117.094 52.07,117.094 56.261,112.903 v1(61.214,112.903) ; v1(64.008,117.094) 68.072,113.03 69.088,113.03 72.771,109.347 72.771,104.648 80.391,97.028 80.391,94.234 80.645,93.98 80.657,93.98 85.473,89.164 85.473,86.362 v1(84.709,85.598)
USB_N: IC1.13 TYPE-C.A7 TYPE-C.B7 | length 16.9
  Top Layer w0.3: TYPE-C.A7 34.203,109.905 33.805,110.303 33.805,110.513 34.197,110.905 TYPE-C.B7 36.415,110.905 37.084,110.236 IC1.13
USB_P: IC1.14 TYPE-C.A6 TYPE-C.B6 | length 15.1
  Top Layer w0.3: TYPE-C.B6 36.427,109.405 ; TYPE-C.A6 36.28,110.405 36.576,110.109 36.576,109.554 36.427,109.405 ; IC1.14 36.866,108.966 36.427,109.405
Vin-(INA219): J3.5 U1.1 | length 15.1
  Top Layer w1: U1.1 80.137,90.297 81.407,91.567 83.693,91.567 85.471,93.345 85.471,95.553 84.885,96.139 J3.5@82.095,96.139
XCL: J1.6
XDA: J1.5
pads on no net: IC1.8 IC1.9 IC1.10 IC1.11 IC1.15 IC1.16 IC1.23 IC1.24 IC1.25 IC1.26 IC1.28 IC1.29 IC1.30 IC1.31 IC1.32 IC1.33 IC1.34 IC1.35 IC1.36 IC1.37 IC1.38 TYPE-C. TYPE-C.A4_B9 TYPE-C.A8 TYPE-C.B4_A9 TYPE-C.B8 U1.6 U1.7 U1.13 U1.14 U1.15

## Polygon pours and split planes (outlines as drawn)
GND on Top Layer "GND_L01_P000" (solid, pour order 0): 29.083,126.746 87.122,126.746 cw(c87.122,125.095) 88.773,125.095 88.773,91.44 ccw(c90.297,91.44) 90.297,89.916 97.028,89.916 cw(c97.028,88.519) 98.425,88.519 98.425,68.199 cw(c97.282,68.199) 97.282,67.056 64.135,67.056 cw(c64.135,69.596) 61.595,69.596 61.595,71.755 ccw(c60.706,71.755) 60.706,72.644 30.226,72.644 cw(c30.226,74.93) 27.94,74.93 27.94,126.111 cw(c28.448,126.111) 28.448,126.619
GND on Bottom Layer "GND_L02_P001" (solid, pour order 1): 28.956,126.746 87.376,126.746 cw(c87.376,125.603) 88.519,125.603 88.519,92.583 ccw(c91.059,92.583) 91.059,90.043 95.885,90.043 cw(c95.885,87.503) 98.425,87.503 98.425,68.453 cw(c96.774,68.453) 96.774,66.802 63.754,66.802 cw(c63.754,68.707) 61.849,68.707 61.849,70.104 ccw(c59.309,70.104) 59.309,72.644 30.607,72.644 cw(c30.607,75.184) 28.067,75.184 28.067,126.238

## Silkscreen, mask and mechanical layers (free items; w line width, h text height)
Top Overlay:
  drawing of 58 lines, arcs and shapes, not listed
  text "MUH TAS-1  / MERT UZUN / 220207087" at 28.956,73.66 h1.52
Bottom Overlay:
  text "Designed by Mert Uzun /      27.11.2025" at 70.485,97.409 h1.52